# KiCad board OLD_PCB.kicad_pcb (continued)
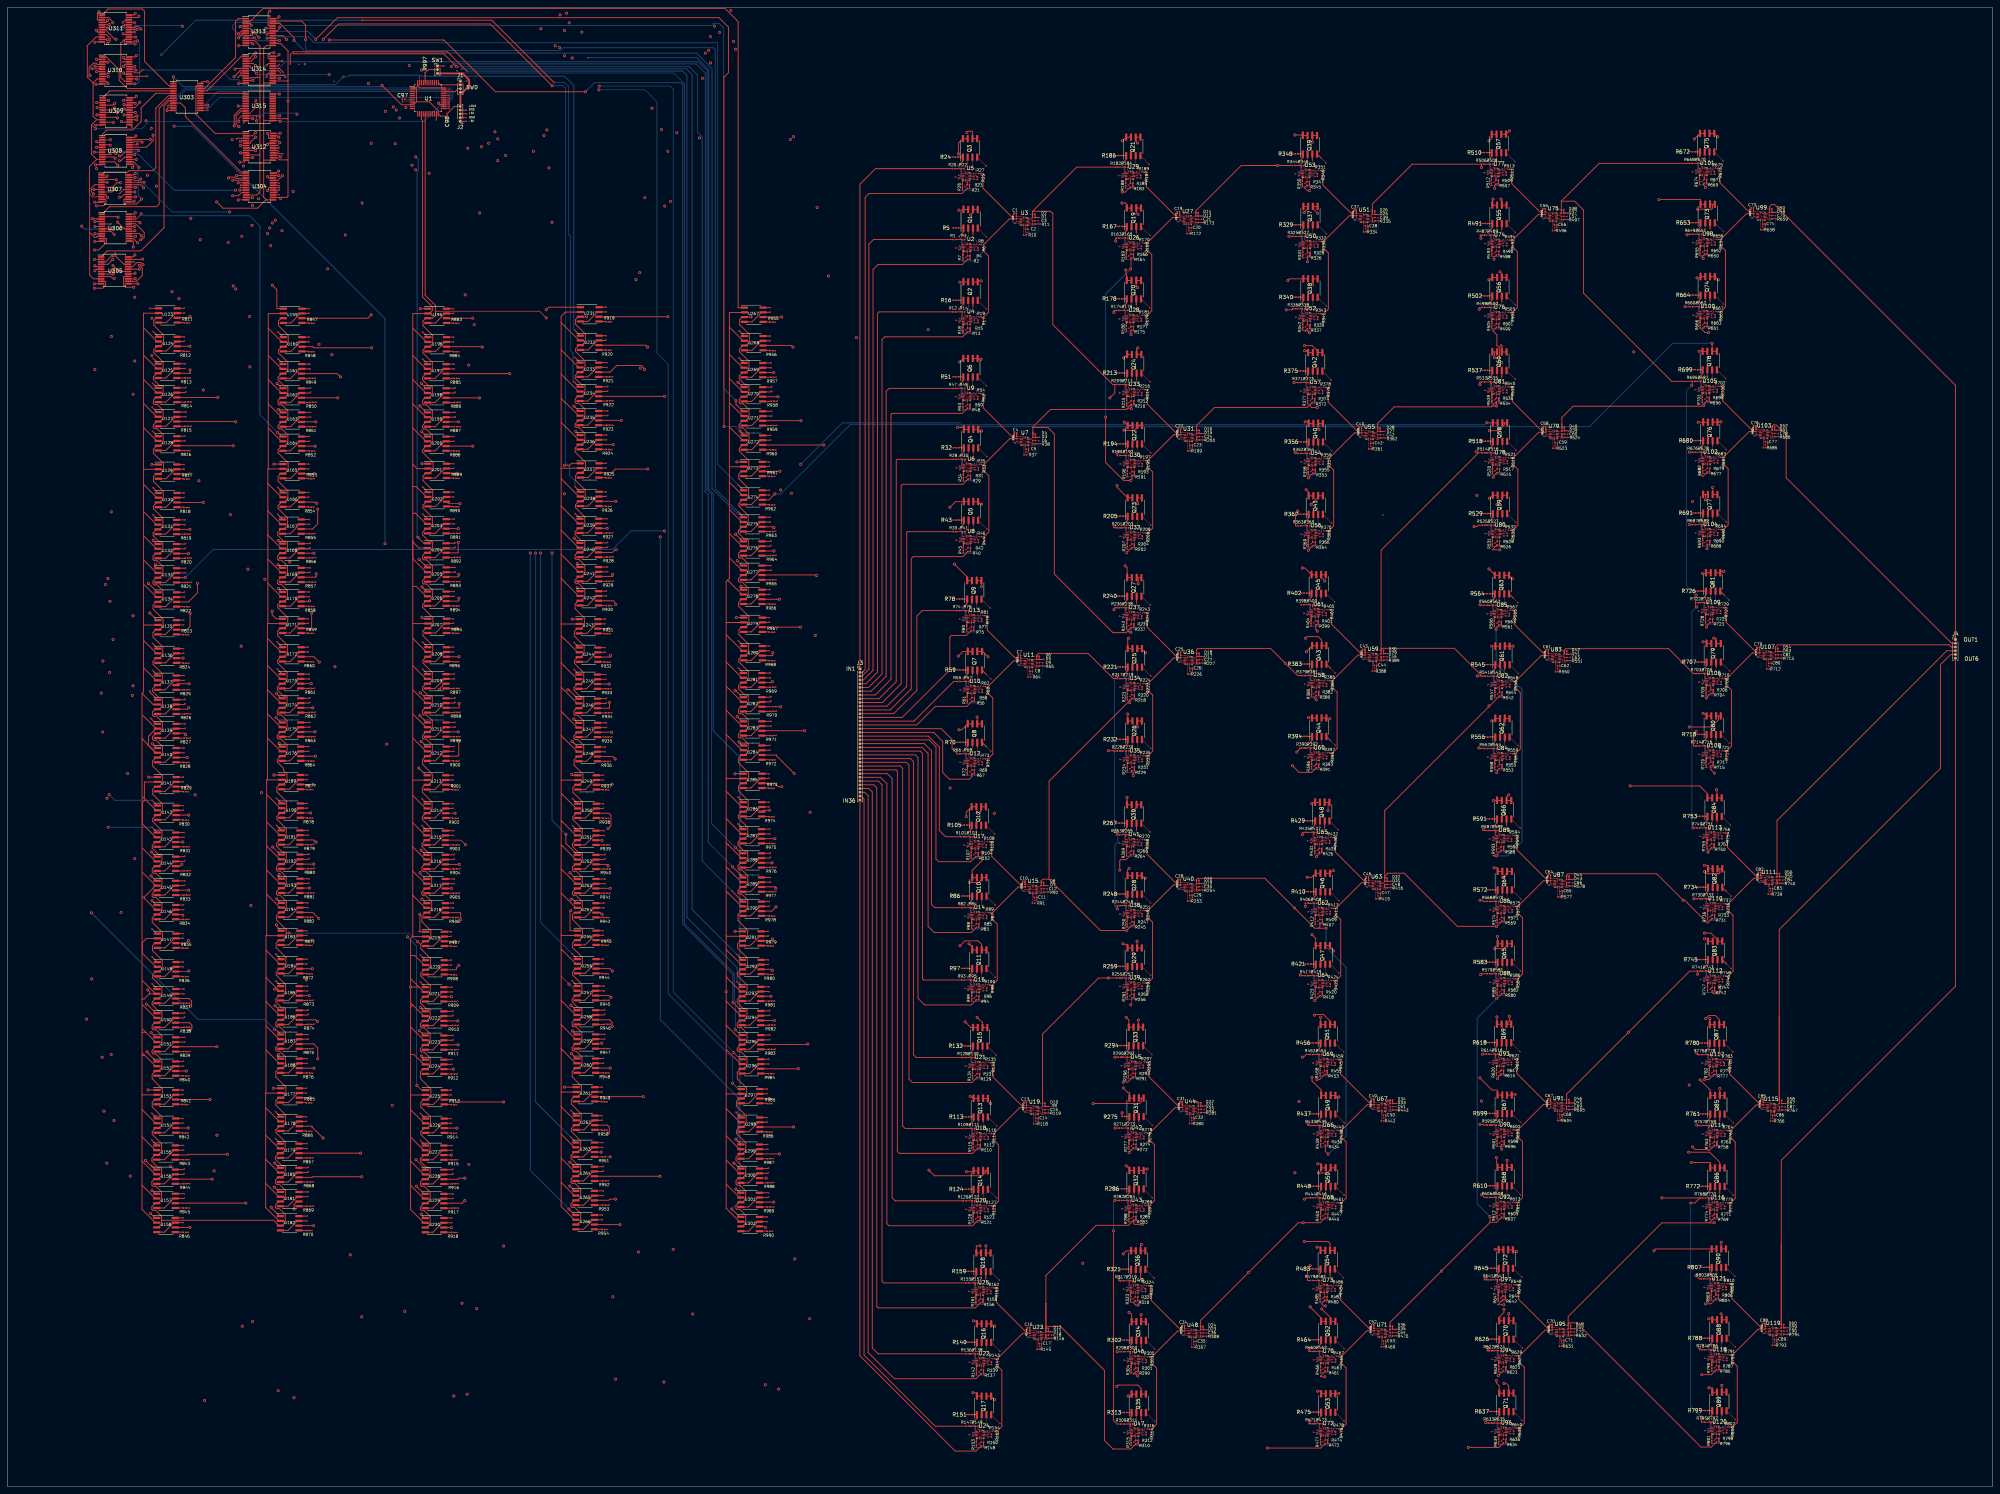
[diagram p0: board, top side]
## Routing (per net, layer and track width the routed paths; a pad name or vN(x,y) marks a point on that pad's centre or on a via; arc(x,y) is an arc through that point) (continued)
Net-(U109C--): length 3.1
  Top w0.1: R725.1 455.36,231.82 455.36,233.09
  Top w0.25: 455.27,231.25 455.27,231 ; 455.27,231.25 455.27,231.25 R725.1 455.27,231.25 ; 455.27,231 R723.2 455.27,231
Net-(U109D--): length 3.8
  Top w0.1: U109.13 455.21,234.84 455.36,234.69 456.25,234.69 v1(456.32,234.76) ; R729.1 458.21,234.75 v1(457.64,234.75)
  Top w0.25: 458.23,234.72 R729.1
  Bottom w0.1: v1(457.64,234.75) 456.33,234.75 v1(456.32,234.76)
Net-(U110A--): length 4
  Top w0.1: U110.1 453.71,155.89 R732.1
  Top w0.25: 452.61,156.96 453.71,156.96 R732.1 ; 452.61,156.96 R730.2 452.61,156.96
Net-(U110B--): length 2.2
  Top w0.1: U110.5 454.15,153.85 U110.6
  Top w0.25: R736.1 453.9,153.91 453.97,153.98 454,153.98
Net-(U110C--): length 3.1
  Top w0.1: U110.8 455.9,152.74 455.8,152.64
  Top w0.25: 455.8,152.16 R731.2 ; 455.8,152.16 455.8,152.4 ; 455.8,152.16 455.8,151.68 ; 455.8,152.4 455.8,152.64 ; 455.8,152.4 R733.1
Net-(U110D--): length 3.8
  Top w0.1: v1(458.17,155.67) 458.74,155.67 R737.1 ; U110.13 455.75,155.75 U110.12 456.78,155.6 v1(456.85,155.68)
  Top w0.25: 458.77,155.64 R737.1
  Bottom w0.1: v1(458.17,155.67) 456.86,155.67 v1(456.85,155.68)
Net-(U111B-+): length 5.8
  Top w0.1: U111.4 468.91,161.4 468.84,161.32 467.81,161.32 v1(467.78,161.35)
  Top w0.25: v1(467.27,163.4) 467.5,163.64 467.5,163.82 ; 467.5,163.82 C82.2 467.5,163.82 ; v1(468.79,161.46) 469.67,161.46
  Bottom w0.25: v1(467.78,161.35) 467.8,161.37 467.57,161.37 467.27,161.67 v1(467.27,163.4)
Net-(U111B--): length 3.5
  Top w0.1: U111.5 469.94,161 U111.6 470.09,158.2 R739.1
Net-(U111C--): length 3.9
  Top w0.1: R739.2 471.29,158.7 C83.1 471.24,159.75 U111.8
  Top w0.25: 471.29,159.19 C83.1 ; 470.98,158.38 R739.2
Net-(U111D-+): length 2.8
  Top w0.1: U111.11 472.26,162.2 C84.2 R740.1
  Top w0.25: 472.48,161.33 R740.1 ; 472.48,161.54 C84.2
Net-(U112A--): length 4
  Top w0.1: R743.1 453.71,136.56 U112.1
  Top w0.25: R743.1 453.71,137.64 452.61,137.64 ; 452.61,137.64 R741.2 ; 452.61,137.64 451.9,137.64
Net-(U112B--): length 2.2
  Top w0.1: 454.74,134.53 454.14,134.53 U112.5
  Top w0.25: 453.99,134.65 453.97,134.65 453.9,134.59 R747.1
Net-(U112C--): length 3.1
  Top w0.1: 455.79,133.32 455.89,133.41 U112.8
  Top w0.25: R744.1 455.79,132.84 455.79,132.84 ; 455.79,133.32 455.79,132.84 ; 455.79,132.84 455.79,132.59 ; 455.79,132.59 455.79,132.35 ; 455.79,132.59 455.79,132.59 R742.2
Net-(U112D--): length 3.8
  Top w0.1: v1(458.17,136.34) 458.74,136.34 458.79,136.29 ; 455.14,136.43 455.74,136.43 U112.12 456.77,136.28 v1(456.85,136.35)
  Top w0.25: 458.76,136.31 R748.1
  Bottom w0.1: v1(456.85,136.35) 456.86,136.34 v1(458.17,136.34)
Net-(U113A--): length 3.5
  Top w0.1: U113.1 453.56,174.82 453.56,175.9
  Top w0.25: R749.2 453.56,175.9 453.56,175.9 ; 453.56,175.9 R751.1 ; 453.56,175.9 453.56,175.7
Net-(U113B--): length 2.8
  Top w0.1: U113.5 454,172.79 U113.6
  Top w0.25: 453.76,172.23 R755.1 453.76,172.23 ; 453.76,172.23 453.76,172.85 453.82,172.91 453.85,172.91
Net-(U113C--): length 3.1
  Top w0.1: 455.65,171.58 455.75,171.68 U113.8
  Top w0.25: 455.65,170.86 R750.2 455.65,170.85 455.65,170.86 ; 455.65,170.86 455.65,171.1 ; 455.65,171.58 455.65,171.1 ; 455.65,171.1 R752.1
Net-(U113D--): length 3.8
  Top w0.1: v1(458.02,174.6) 458.59,174.6 458.64,174.55 ; v1(456.7,174.61) 456.63,174.54 U113.12 455.6,174.69 U113.13
  Bottom w0.1: v1(458.02,174.6) 456.71,174.6 v1(456.7,174.61)
Net-(U114A--): length 3.8
  Top w0.1: R759.1 454.33,95.32 U114.1
  Top w0.25: 454.33,95.86 R759.1 454.32,96.4 R757.2
Net-(U114B--): length 2.8
  Top w0.1: U114.6 454.76,93.29 U114.5
  Top w0.25: 454.52,92.74 454.52,92.74 R763.1 ; 454.52,92.74 454.52,93.35 454.58,93.42 454.61,93.42 ; 454.52,92.74 454.52,92.12
Net-(U114C--): length 3.1
  Top w0.1: U114.8 456.51,92.18 456.41,92.08
  Top w0.25: 456.41,92.08 456.41,91.6 ; 456.41,91.6 456.41,91.36 ; 456.41,91.6 456.41,91.6 R760.1 ; 456.41,91.36 456.41,91.36 R758.2 ; 456.41,91.36 456.41,91.12
Net-(U114D--): length 3.8
  Top w0.1: v1(458.79,95.1) 459.35,95.1 R764.1 ; v1(457.46,95.11) 457.39,95.04 U114.12 456.36,95.19 U114.13
  Top w0.25: 459.41,95.05 R764.1
  Bottom w0.1: v1(457.46,95.11) 457.48,95.1 v1(458.79,95.1)
Net-(U115B-+): length 4.9
  Top w0.1: v1(468.39,100.79) 468.42,100.76 469.45,100.76 469.53,100.84 469.95,100.84
  Top w0.25: 468.12,103.26 C85.2 468.12,103.26 ; 468.12,103.26 468.12,103.07 v1(467.88,102.84)
  Bottom w0.25: v1(467.88,102.84) 467.88,101.11 468.18,100.8 468.41,100.8 v1(468.39,100.79)
Net-(U115B--): length 3.5
  Top w0.1: R766.1 470.7,97.64 U115.6 470.55,100.44 469.95,100.44
Net-(U115C--): length 3.4
  Top w0.1: 471.85,100.44 471.85,99.18 C86.1 471.91,98.14 R766.2
  Top w0.25: v1(471.6,99.9) 471.85,99.9 ; 471.88,99.16 C86.1
Net-(U115D-+): length 2.6
  Top w0.1: 471.85,101.64 472.87,101.64 C87.2 R767.1
  Top w0.25: 473.1,100.98 R767.1
Net-(U116A--): length 3.8
  Top w0.1: U116.1 454.32,76 R770.1
  Top w0.25: R768.2 454.32,77.08 R770.1 454.32,76.54
Net-(U116B--): length 2.8
  Top w0.1: U116.5 454.75,73.97 U116.6
  Top w0.25: 454.51,73.41 R774.1 454.51,73.41 ; 454.51,73.41 454.51,74.02 454.58,74.09 454.6,74.09
Net-(U116C--): length 3.1
  Top w0.1: R771.1 456.5,72.85 U116.8
  Top w0.25: 456.41,72.27 456.41,72.03 ; 456.41,72.27 R771.1 456.41,72.27 ; 456.41,72.03 456.41,71.79 ; 456.41,72.03 R769.2
Net-(U116D--): length 3.8
  Top w0.1: R775.1 459.35,75.78 v1(458.78,75.78) ; 455.75,75.87 456.35,75.87 U116.12 457.39,75.72 v1(457.46,75.79)
  Bottom w0.1: v1(458.78,75.78) 457.47,75.78 v1(457.46,75.79)
Net-(U117A--): length 3.3
  Top w0.1: R778.1 454.18,114.26 U117.1
  Top w0.25: 452.37,115.34 R778.1
Net-(U117B--): length 2.8
  Top w0.1: U117.5 454.61,112.23 455.21,112.23
  Top w0.25: R782.1 454.37,111.67 454.37,111.67 ; 454.46,112.35 454.44,112.35 454.37,112.29 454.37,111.67 ; 454.37,111.67 454.37,111.06
Net-(U117C--): length 2.4
  Top w0.1: U117.8 456.36,111.11 456.26,111.02
  Top w0.25: 456.26,111.02 R777.2 ; 456.31,111.07 R779.1
Net-(U117D--): length 3.8
  Top w0.1: R783.1 459.2,114.04 v1(458.64,114.04) ; v1(457.32,114.05) 457.24,113.98 U117.12 456.21,114.13 455.61,114.13
  Top w0.25: 459.23,114.01 R783.1
  Bottom w0.1: v1(458.64,114.04) 457.33,114.04 v1(457.32,114.05)
Net-(U118A--): length 3.5
  Top w0.1: 455.14,35.16 454.86,35.44 R786.1
  Top w0.25: R784.2 453.05,36.52 454.86,36.52 R786.1 454.86,36.32
Net-(U118B--): length 2.8
  Top w0.1: U118.6 455.29,33.41 455.14,33.56
  Top w0.25: 455.05,32.85 455.05,33.46 455.12,33.53 455.14,33.53 ; 455.05,32.85 R790.1 455.05,32.85
Net-(U118C--): length 2.8
  Top w0.1: R787.1 457.04,32.29 457.04,33.56
  Top w0.25: 456.95,31.71 R787.1 456.95,31.71 ; 456.95,31.71 456.95,31.23
Net-(U118D--): length 3.8
  Top w0.1: v1(459.32,35.22) 459.89,35.22 R791.1 ; v1(458,35.23) 457.92,35.16 457.04,35.16 456.89,35.31 U118.13
  Bottom w0.1: v1(459.32,35.22) 458.01,35.22 v1(458,35.23)
Net-(U119B-+): length 4.7
  Top w0.1: v1(468.93,40.9) 468.95,40.88 469.98,40.88 470.06,40.95 U119.4
  Top w0.25: v1(468.41,42.95) 468.65,43.19 468.65,43.56
  Bottom w0.25: v1(468.41,42.95) 468.41,41.22 468.72,40.92 468.95,40.92 v1(468.93,40.9)
Net-(U119B--): length 3.5
  Top w0.1: 470.48,40.55 471.08,40.55 U119.6 471.23,37.75 471.27,37.72
Net-(U119C--): length 3.6
  Top w0.1: 471.91,37.72 472.44,38.25 472.44,39.24 472.38,39.3 472.38,40.55
  Top w0.25: 472.44,38.75 C89.1
Net-(U119D-+): length 2.2
  Top w0.1: R794.1 C90.2 473.41,41.75 472.38,41.75
Net-(U120A--): length 3.5
  Top w0.1: 455.14,15.83 454.85,16.11 R797.1
  Top w0.25: 454.85,17 R797.1 454.85,17.19 R795.2
Net-(U120B--): length 2.8
  Top w0.1: U120.6 455.29,14.08 455.14,14.23
  Top w0.25: 455.14,14.21 455.11,14.21 455.05,14.14 455.05,13.52 ; 455.05,13.52 R801.1 455.05,13.52
Net-(U120C--): length 2.8
  Top w0.1: 456.94,12.87 457.04,12.97 457.04,14.23
  Top w0.25: 456.94,12.39 R796.2 ; 456.94,12.39 R798.1 ; 456.94,12.39 456.94,12.87
Net-(U120D--): length 3.8
  Top w0.1: U120.13 456.89,15.98 457.04,15.83 457.92,15.83 v1(457.99,15.9) ; 459.93,15.84 459.88,15.89 v1(459.31,15.89)
  Bottom w0.1: v1(457.99,15.9) 458,15.89 v1(459.31,15.89)
Net-(U121A--): length 3.3
  Top w0.1: R805.1 454.71,54.38 U121.1
  Top w0.25: R805.1 454.71,55.45 R803.2
Net-(U121B--): length 2.2
  Top w0.1: 454.99,52.49 455.14,52.34 U121.6
  Top w0.25: R809.1 454.9,52.4 454.97,52.47 454.99,52.47
Net-(U121C--): length 2.4
  Top w0.1: R806.1 456.89,51.23 456.89,52.49
  Top w0.25: 456.8,50.17 R806.1 456.85,51.18
Net-(U121D--): length 3.8
  Top w0.1: U121.13 456.74,54.24 U121.12 457.77,54.09 v1(457.85,54.17) ; R810.1 459.74,54.16 v1(459.17,54.16)
  Bottom w0.1: v1(459.17,54.16) 457.86,54.16 v1(457.85,54.17)
Net-(U123-PA0): length 1.9
  Top w0.25: R811.2 47.11,310.85 U123.5
Net-(U124-PA0): length 1.9
  Top w0.25: U124.5 47.11,303.25 R812.2
Net-(U125-PA0): length 2.2
  Top w0.25: R813.2 47.4,296.05 U125.5
Net-(U126-PA0): length 2.3
  Top w0.25: R814.2 47.45,289.6 U126.5
Net-(U127-PA0): length 2.2
  Top w0.25: R815.2 47.4,283.15 U127.5
Net-(U128-PA0): length 2.1
  Top w0.25: U128.5 47.26,276.7 R816.2
Net-(U129-PA0): length 1.9
  Top w0.25: U129.5 47.03,269.14 R817.2
Net-(U130-PA0): length 1.9
  Top w0.25: R818.2 47.03,261.55 U130.5
Net-(U131-PA0): length 2.2
  Top w0.25: U131.5 47.32,254.35 R819.2
Net-(U132-PA0): length 2.3
  Top w0.25: R820.2 47.38,247.9 U132.5
Net-(U133-PA0): length 2.2
  Top w0.25: R821.2 47.32,241.45 U133.5
Net-(U134-PA0): length 2.1
  Top w0.25: U134.5 47.18,235 R822.2
Net-(U135-PA0): length 2
  Top w0.25: 46.96,227.52 47,227.47 ; 46.96,227.52 46.91,227.57 U135.5 ; 46.96,227.52 R823.2
Net-(U136-PA0): length 2
  Top w0.25: U136.5 46.91,219.97 46.96,219.92 ; 46.96,219.92 47,219.87 ; 46.96,219.92 R824.2
Net-(U137-PA0): length 2.2
  Top w0.25: U137.5 47.2,212.77 R825.2
Net-(U138-PA0): length 2.3
  Top w0.25: U138.5 47.25,206.32 47.3,206.37 R826.2
Net-(U139-PA0): length 2.2
  Top w0.25: R827.2 47.2,199.87 U139.5
Net-(U140-PA0): length 2.2
  Top w0.25: 47.08,193.4 47.06,193.42 U140.5 ; 47.08,193.4 R828.2 ; 47.08,193.4 47.1,193.37
Net-(U141-PA0): length 1.9
  Top w0.25: R829.2 46.81,185.65 U141.5
Net-(U142-PA0): length 1.9
  Top w0.25: R830.2 46.81,178.05 U142.5
Net-(U143-PA0): length 2.2
  Top w0.25: R831.2 47.1,170.85 U143.5
Net-(U144-PA0): length 2.3
  Top w0.25: U144.5 47.15,164.4 R832.2
Net-(U145-PA0): length 2.2
  Top w0.25: U145.5 47.1,157.95 R833.2
Net-(U146-PA0): length 2.1
  Top w0.25: U146.5 46.96,151.5 R834.2
Net-(U147-PA0): length 1.9
  Top w0.25: R835.2 46.78,143.86 U147.5
Net-(U148-PA0): length 1.9
  Top w0.25: U148.5 46.78,136.25 R836.2
Net-(U149-PA0): length 2.2
  Top w0.25: R837.2 47.07,129.06 U149.5
Net-(U150-PA0): length 2.3
  Top w0.25: 44.88,122.61 47.12,122.61 R838.2
Net-(U151-PA0): length 2.2
  Top w0.25: R839.2 47.07,116.16 U151.5
Net-(U152-PA0): length 2.1
  Top w0.25: R840.2 46.93,109.71 U152.5
Net-(U153-PA0): length 1.9
  Top w0.25: R841.2 46.71,102.09 U153.5
Net-(U154-PA0): length 1.9
  Top w0.25: 44.9,94.49 46.71,94.49 R842.2
Net-(U155-PA0): length 2.2
  Top w0.25: R843.2 47,87.29 U155.5
Net-(U156-PA0): length 2.3
  Top w0.25: U156.5 47.05,80.84 R844.2
Net-(U157-PA0): length 2.2
  Top w0.25: U157.5 47,74.39 R845.2
Net-(U158-PA0): length 2.1
  Top w0.25: U158.5 46.86,67.94 R846.2
Net-(U159-PA0): length 1.9
  Top w0.25: R847.2 80.41,310.75 U159.5
Net-(U160-PA0): length 1.9
  Top w0.25: R848.2 80.41,303.15 U160.5
Net-(U161-PA0): length 2.2
  Top w0.25: U161.5 80.7,295.95 R849.2
Net-(U162-PA0): length 2.3
  Top w0.25: R850.2 80.75,289.5 U162.5
Net-(U163-PA0): length 2.2
  Top w0.25: R851.2 80.7,283.05 U163.5
Net-(U164-PA0): length 2.1
  Top w0.25: 80.61,276.56 80.56,276.6 U164.5
Net-(U165-PA0): length 1.9
  Top w0.25: U165.5 80.31,269.25 80.41,269.16
Net-(U166-PA0): length 1.9
  Top w0.25: 80.41,261.56 80.31,261.65 U166.5
Net-(U167-PA0): length 2.2
  Top w0.25: U167.5 80.6,254.45 80.61,254.46
Net-(U168-PA0): length 2.3
  Top w0.25: U168.5 80.65,248 R856.2
Net-(U169-PA0): length 2.2
  Top w0.25: U169.5 80.6,241.55 80.61,241.56
Net-(U170-PA0): length 2.1
  Top w0.25: R858.2 80.46,235.1 U170.5
Net-(U171-PA0): length 1.9
  Top w0.25: R859.2 80.21,227.95 78.4,227.95
Net-(U172-PA0): length 1.9
  Top w0.25: R860.2 80.21,220.35 78.4,220.35
Net-(U173-PA0): length 2.2
  Top w0.25: U173.5 80.5,213.15 R861.2
Net-(U174-PA0): length 2.3
  Top w0.25: R862.2 80.55,206.7 U174.5
Net-(U175-PA0): length 2.2
  Top w0.25: R863.2 80.5,200.25 U175.5
Net-(U176-PA0): length 2.1
  Top w0.25: R864.2 80.36,193.8 U176.5
Net-(U177-PA0): length 1.9
  Top w0.25: U177.5 79.73,102.56 R865.2
Net-(U178-PA0): length 1.9
  Top w0.25: U178.5 79.73,94.96 R866.2
Net-(U179-PA0): length 2.2
  Top w0.25: R867.2 80.02,87.75 77.82,87.75
Net-(U180-PA0): length 2.3
  Top w0.25: R868.2 80.07,81.31 77.82,81.31
Net-(U181-PA0): length 2.2
  Top w0.25: R869.2 80.02,74.86 77.82,74.86
Net-(U182-PA0): length 2.1
  Top w0.25: R870.2 79.88,68.41 77.82,68.41
Net-(U183-PA0): length 1.9
  Top w0.25: U183.5 79.81,144.62 R871.2
Net-(U184-PA0): length 1.9
  Top w0.25: U184.5 79.81,137.02 R872.2
Net-(U185-PA0): length 2.2
  Top w0.25: R873.2 80.1,129.81 U185.5
Net-(U186-PA0): length 2.3
  Top w0.25: 77.9,123.37 80.15,123.37 R874.2
Net-(U187-PA0): length 2.2
  Top w0.25: R875.2 80.1,116.92 U187.5
Net-(U188-PA0): length 2.1
  Top w0.25: R876.2 79.96,110.47 U188.5
Net-(U189-PA0): length 1.9
  Top w0.25: R877.2 79.98,186.22 78.18,186.22
Net-(U190-PA0): length 1.9
  Top w0.25: 78.18,178.62 79.98,178.62 R878.2
Net-(U191-PA0): length 2.2
  Top w0.25: U191.5 80.28,171.42 R879.2
Net-(U192-PA0): length 2.3
  Top w0.25: U192.5 80.33,164.97 R880.2
Net-(U193-PA0): length 2.2
  Top w0.25: R881.2 80.28,158.52 U193.5
Net-(U194-PA0): length 2.1
  Top w0.25: R882.2 80.14,152.07 U194.5
Net-(U195-PA0): length 1.9
  Top w0.25: U195.5 119,310.75 R883.2
Net-(U196-PA0): length 1.9
  Top w0.25: R884.2 119,303.15 U196.5
Net-(U197-PA0): length 2.2
  Top w0.25: R885.2 119.28,295.95 U197.5
Net-(U198-PA0): length 2.3
  Top w0.25: U198.5 119.34,289.5 R886.2
Net-(U199-PA0): length 2.2
  Top w0.25: R887.2 119.28,283.05 U199.5
Net-(U200-PA0): length 2.1
  Top w0.25: U200.5 119.15,276.6 R888.2
Net-(U201-PA0): length 1.9
  Top w0.25: U201.5 119.01,269.35 R889.2
Net-(U202-PA0): length 1.9
  Top w0.25: U202.5 119.01,261.75 R890.2
Net-(U203-PA0): length 2.2
  Top w0.25: R891.2 119.3,254.55 U203.5
Net-(U204-PA0): length 2.3
  Top w0.25: R892.2 119.35,248.1 U204.5
Net-(U205-PA0): length 2.2
  Top w0.25: U205.5 119.3,241.65 R893.2
Net-(U206-PA0): length 2.1
  Top w0.25: U206.5 119.16,235.2 R894.2
Net-(U207-PA0): length 1.9
  Top w0.25: U207.5 118.99,227.95 R895.2
Net-(U208-PA0): length 1.9
  Top w0.25: U208.5 118.99,220.35 R896.2
Net-(U209-PA0): length 2.2
  Top w0.25: R897.2 119.28,213.15 U209.5
Net-(U210-PA0): length 2.3
  Top w0.25: R898.2 119.33,206.7 U210.5
Net-(U211-PA0): length 2.2
  Top w0.25: R899.2 119.28,200.25 U211.5
Net-(U212-PA0): length 2.1
  Top w0.25: R900.2 119.14,193.8 U212.5
Net-(U213-PA0): length 1.9
  Top w0.25: R901.2 118.81,186.15 U213.5
Net-(U214-PA0): length 1.9
  Top w0.25: U214.5 118.81,178.55 R902.2
Net-(U215-PA0): length 2.2
  Top w0.25: R903.2 119.11,171.35 U215.5
Net-(U216-PA0): length 2.3
  Top w0.25: U216.5 119.16,164.9 R904.2
Net-(U217-PA0): length 2.2
  Top w0.25: U217.5 119.11,158.45 R905.2
Net-(U218-PA0): length 2.1
  Top w0.25: R906.2 118.97,152 U218.5
Net-(U219-PA0): length 1.9
  Top w0.25: U219.5 118.41,144.35 R907.2
Net-(U220-PA0): length 1.9
  Top w0.25: R908.2 118.41,136.75 116.61,136.75
Net-(U221-PA0): length 2.2
  Top w0.25: R909.2 118.71,129.55 116.5,129.55
Net-(U222-PA0): length 2.3
  Top w0.25: U222.5 118.75,123.1 R910.2
Net-(U223-PA0): length 2.2
  Top w0.25: R911.2 118.71,116.65 U223.5
Net-(U224-PA0): length 2.1
  Top w0.25: U224.5 118.56,110.2 R912.2
Net-(U225-PA0): length 1.9
  Top w0.25: U225.5 118.41,102.05 118.5,101.96
Net-(U226-PA0): length 1.9
  Top w0.25: U226.5 118.41,94.45 118.5,94.36
Net-(U227-PA0): length 2.2
  Top w0.25: R915.2 118.7,87.25 U227.5
Net-(U228-PA0): length 2.3
  Top w0.25: R916.2 118.75,80.8 U228.5
Net-(U229-PA0): length 2.2
  Top w0.25: R917.2 118.7,74.35 U229.5
Net-(U230-PA0): length 2.1
  Top w0.25: R918.2 118.56,67.9 U230.5
Net-(U231-PA0): length 1.9
  Top w0.25: R919.2 159.74,311.15 U231.5
Net-(U232-PA0): length 1.9
  Top w0.25: R920.2 159.74,303.55 U232.5
Net-(U233-PA0): length 2.2
  Top w0.25: U233.5 160.03,296.35 R921.2
Net-(U234-PA0): length 2.3
  Top w0.25: R922.2 160.08,289.9 U234.5
Net-(U235-PA0): length 2.2
  Top w0.25: R923.2 160.03,283.45 U235.5
Net-(U236-PA0): length 2.1
  Top w0.25: U236.5 159.89,277 R924.2
Net-(U237-PA0): length 1.9
  Top w0.25: U237.5 159.71,269.45 R925.2
Net-(U238-PA0): length 1.9
  Top w0.25: R926.2 159.71,261.85 U238.5
Net-(U239-PA0): length 2.2
  Top w0.25: U239.5 160,254.65 160,254.66
Net-(U240-PA0): length 2.3
  Top w0.25: U240.5 160.05,248.2 R928.2
Net-(U241-PA0): length 2.2
  Top w0.25: 160,241.76 160,241.75 U241.5
Net-(U242-PA0): length 2.1
  Top w0.25: R930.2 159.86,235.3 U242.5
Net-(U243-PA0): length 1.9
  Top w0.25: R931.2 159.41,227.85 U243.5
Net-(U244-PA0): length 1.9
  Top w0.25: U244.5 159.41,220.25 R932.2
Net-(U245-PA0): length 2.2
  Top w0.25: R933.2 159.71,213.05 U245.5
Net-(U246-PA0): length 2.3
  Top w0.25: R934.2 159.75,206.6 U246.5
Net-(U247-PA0): length 2.2
  Top w0.25: U247.5 159.71,200.15 R935.2
Net-(U248-PA0): length 2.1
  Top w0.25: U248.5 159.56,193.7 R936.2
Net-(U249-PA0): length 1.9
  Top w0.25: U249.5 159.02,186.15 R937.2
Net-(U250-PA0): length 1.9
  Top w0.25: U250.5 159.02,178.55 R938.2
Net-(U251-PA0): length 2.2
  Top w0.25: U251.5 159.31,171.35 R939.2
Net-(U252-PA0): length 2.3
  Top w0.25: U252.5 159.36,164.9 R940.2
Net-(U253-PA0): length 2.2
  Top w0.25: R941.2 159.31,158.45 U253.5
Net-(U254-PA0): length 2.1
  Top w0.25: U254.5 159.16,152 R942.2
Net-(U255-PA0): length 1.9
  Top w0.25: U255.5 158.94,144.65 R943.2
Net-(U256-PA0): length 1.9
  Top w0.25: 157.12,137.05 158.94,137.05 R944.2
Net-(U257-PA0): length 2.2
  Top w0.25: U257.5 159.22,129.85 R945.2
Net-(U258-PA0): length 2.3
  Top w0.25: R946.2 159.28,123.4 U258.5
Net-(U259-PA0): length 2.2
  Top w0.25: U259.5 159.22,116.95 R947.2
Net-(U260-PA0): length 2.1
  Top w0.25: R948.2 159.09,110.5 U260.5
Net-(U261-PA0): length 1.9
  Top w0.25: R949.2 158.62,102.85 U261.5
Net-(U262-PA0): length 1.9
  Top w0.25: R950.2 158.62,95.25 156.81,95.25
Net-(U263-PA0): length 2.2
  Top w0.25: R951.2 158.91,88.05 156.71,88.05
Net-(U264-PA0): length 2.3
  Top w0.25: R952.2 158.96,81.6 U264.5
Net-(U265-PA0): length 2.2
  Top w0.25: U265.5 158.91,75.15 R953.2
Net-(U266-PA0): length 2.1
  Top w0.25: R954.2 158.77,68.7 U266.5
Net-(U267-PA0): length 1.9
  Top w0.25: R955.2 203.53,311.05 U267.5
Net-(U268-PA0): length 1.9
  Top w0.25: U268.5 203.53,303.45 R956.2
Net-(U269-PA0): length 2.2
  Top w0.25: R957.2 203.83,296.25 U269.5
Net-(U270-PA0): length 2.3
  Top w0.25: R958.2 203.88,289.8 U270.5
Net-(U271-PA0): length 2.2
  Top w0.25: R959.2 203.83,283.35 U271.5
Net-(U272-PA0): length 2.1
  Top w0.25: R960.2 203.69,276.89 U272.5
Net-(U273-PA0): length 1.9
  Top w0.25: R961.2 203.34,269.85 U273.5
Net-(U274-PA0): length 1.9
  Top w0.25: U274.5 203.34,262.25 R962.2
Net-(U275-PA0): length 2.2
  Top w0.25: R963.2 203.62,255.05 U275.5
Net-(U276-PA0): length 2.3
  Top w0.25: U276.5 203.68,248.6 R964.2
Net-(U277-PA0): length 2.2
  Top w0.25: R965.2 203.62,242.15 U277.5
Net-(U278-PA0): length 2.1
  Top w0.25: R966.2 203.49,235.7 U278.5
Net-(U279-PA0): length 1.9
  Top w0.25: U279.5 203.34,228.25 R967.2
Net-(U280-PA0): length 1.9
  Top w0.25: R968.2 203.34,220.65 U280.5
Net-(U281-PA0): length 2.2
  Top w0.25: U281.5 203.62,213.45 R969.2
Net-(U282-PA0): length 2.3
  Top w0.25: U282.5 203.68,207 R970.2
Net-(U283-PA0): length 2.2
  Top w0.25: R971.2 203.62,200.55 U283.5
Net-(U284-PA0): length 2.1
  Top w0.25: U284.5 203.49,194.1 R972.2
Net-(U285-PA0): length 1.9
  Top w0.25: R973.2 203.21,186.55 U285.5
Net-(U286-PA0): length 1.9
  Top w0.25: R974.2 203.21,178.95 U286.5
Net-(U287-PA0): length 2.2
  Top w0.25: 203.5,171.76 203.5,171.75 U287.5
Net-(U288-PA0): length 2.3
  Top w0.25: U288.5 203.55,165.3 R976.2
Net-(U289-PA0): length 2.2
  Top w0.25: U289.5 203.5,158.85 203.5,158.86
Net-(U290-PA0): length 2.1
  Top w0.25: R978.2 203.36,152.4 U290.5
Net-(U291-PA0): length 1.9
  Top w0.25: R979.2 203.01,144.45 U291.5
Net-(U292-PA0): length 1.9
  Top w0.25: R980.2 203.01,136.85 U292.5
Net-(U293-PA0): length 2.2
  Top w0.25: R981.2 203.3,129.65 U293.5
Net-(U294-PA0): length 2.3
  Top w0.25: U294.5 203.35,123.2 R982.2
Net-(U295-PA0): length 2.2
  Top w0.25: R983.2 203.3,116.75 U295.5
Net-(U296-PA0): length 2.1
  Top w0.25: R984.2 203.16,110.3 U296.5
Net-(U297-PA0): length 1.9
  Top w0.25: R985.2 202.68,102.35 U297.5
Net-(U298-PA0): length 1.9
  Top w0.25: R986.2 202.68,94.75 200.87,94.75
Net-(U299-PA0): length 2.2
  Top w0.25: R987.2 202.97,87.55 200.77,87.55
Net-(U300-PA0): length 2.3
  Top w0.25: U300.5 203.02,81.1 R988.2
Net-(U301-PA0): length 2.2
  Top w0.25: U301.5 202.97,74.65 R989.2
Net-(U302-PA0): length 2.1
  Top w0.25: U302.5 202.83,68.2 R990.2

## Copper pours and planes (outline as drawn; the poured copper is in the pictures)
+5V on 5V_In2.Cu: 571.9,-2.9 -2.1,-2.8 -2.1,397.1 571.9,397.1
-5V on Neg5V_In4.Cu: 571.9,-2.9 -2.1,-2.9 -2.1,397.1 571.9,397.1
GND on GND_In3.Cu: 571.9,-2.8 -2,-2.9 -2.1,397.1 571.9,397.1

## Text on the board
F.Silkscreen: +3V3 | +5V | -5V | GND | SWD | IN36 | IN1 | OUT1 | OUT6
